# Altium PCB 2-quilter-output.pcbdoc (part 2 of 17) (continued)
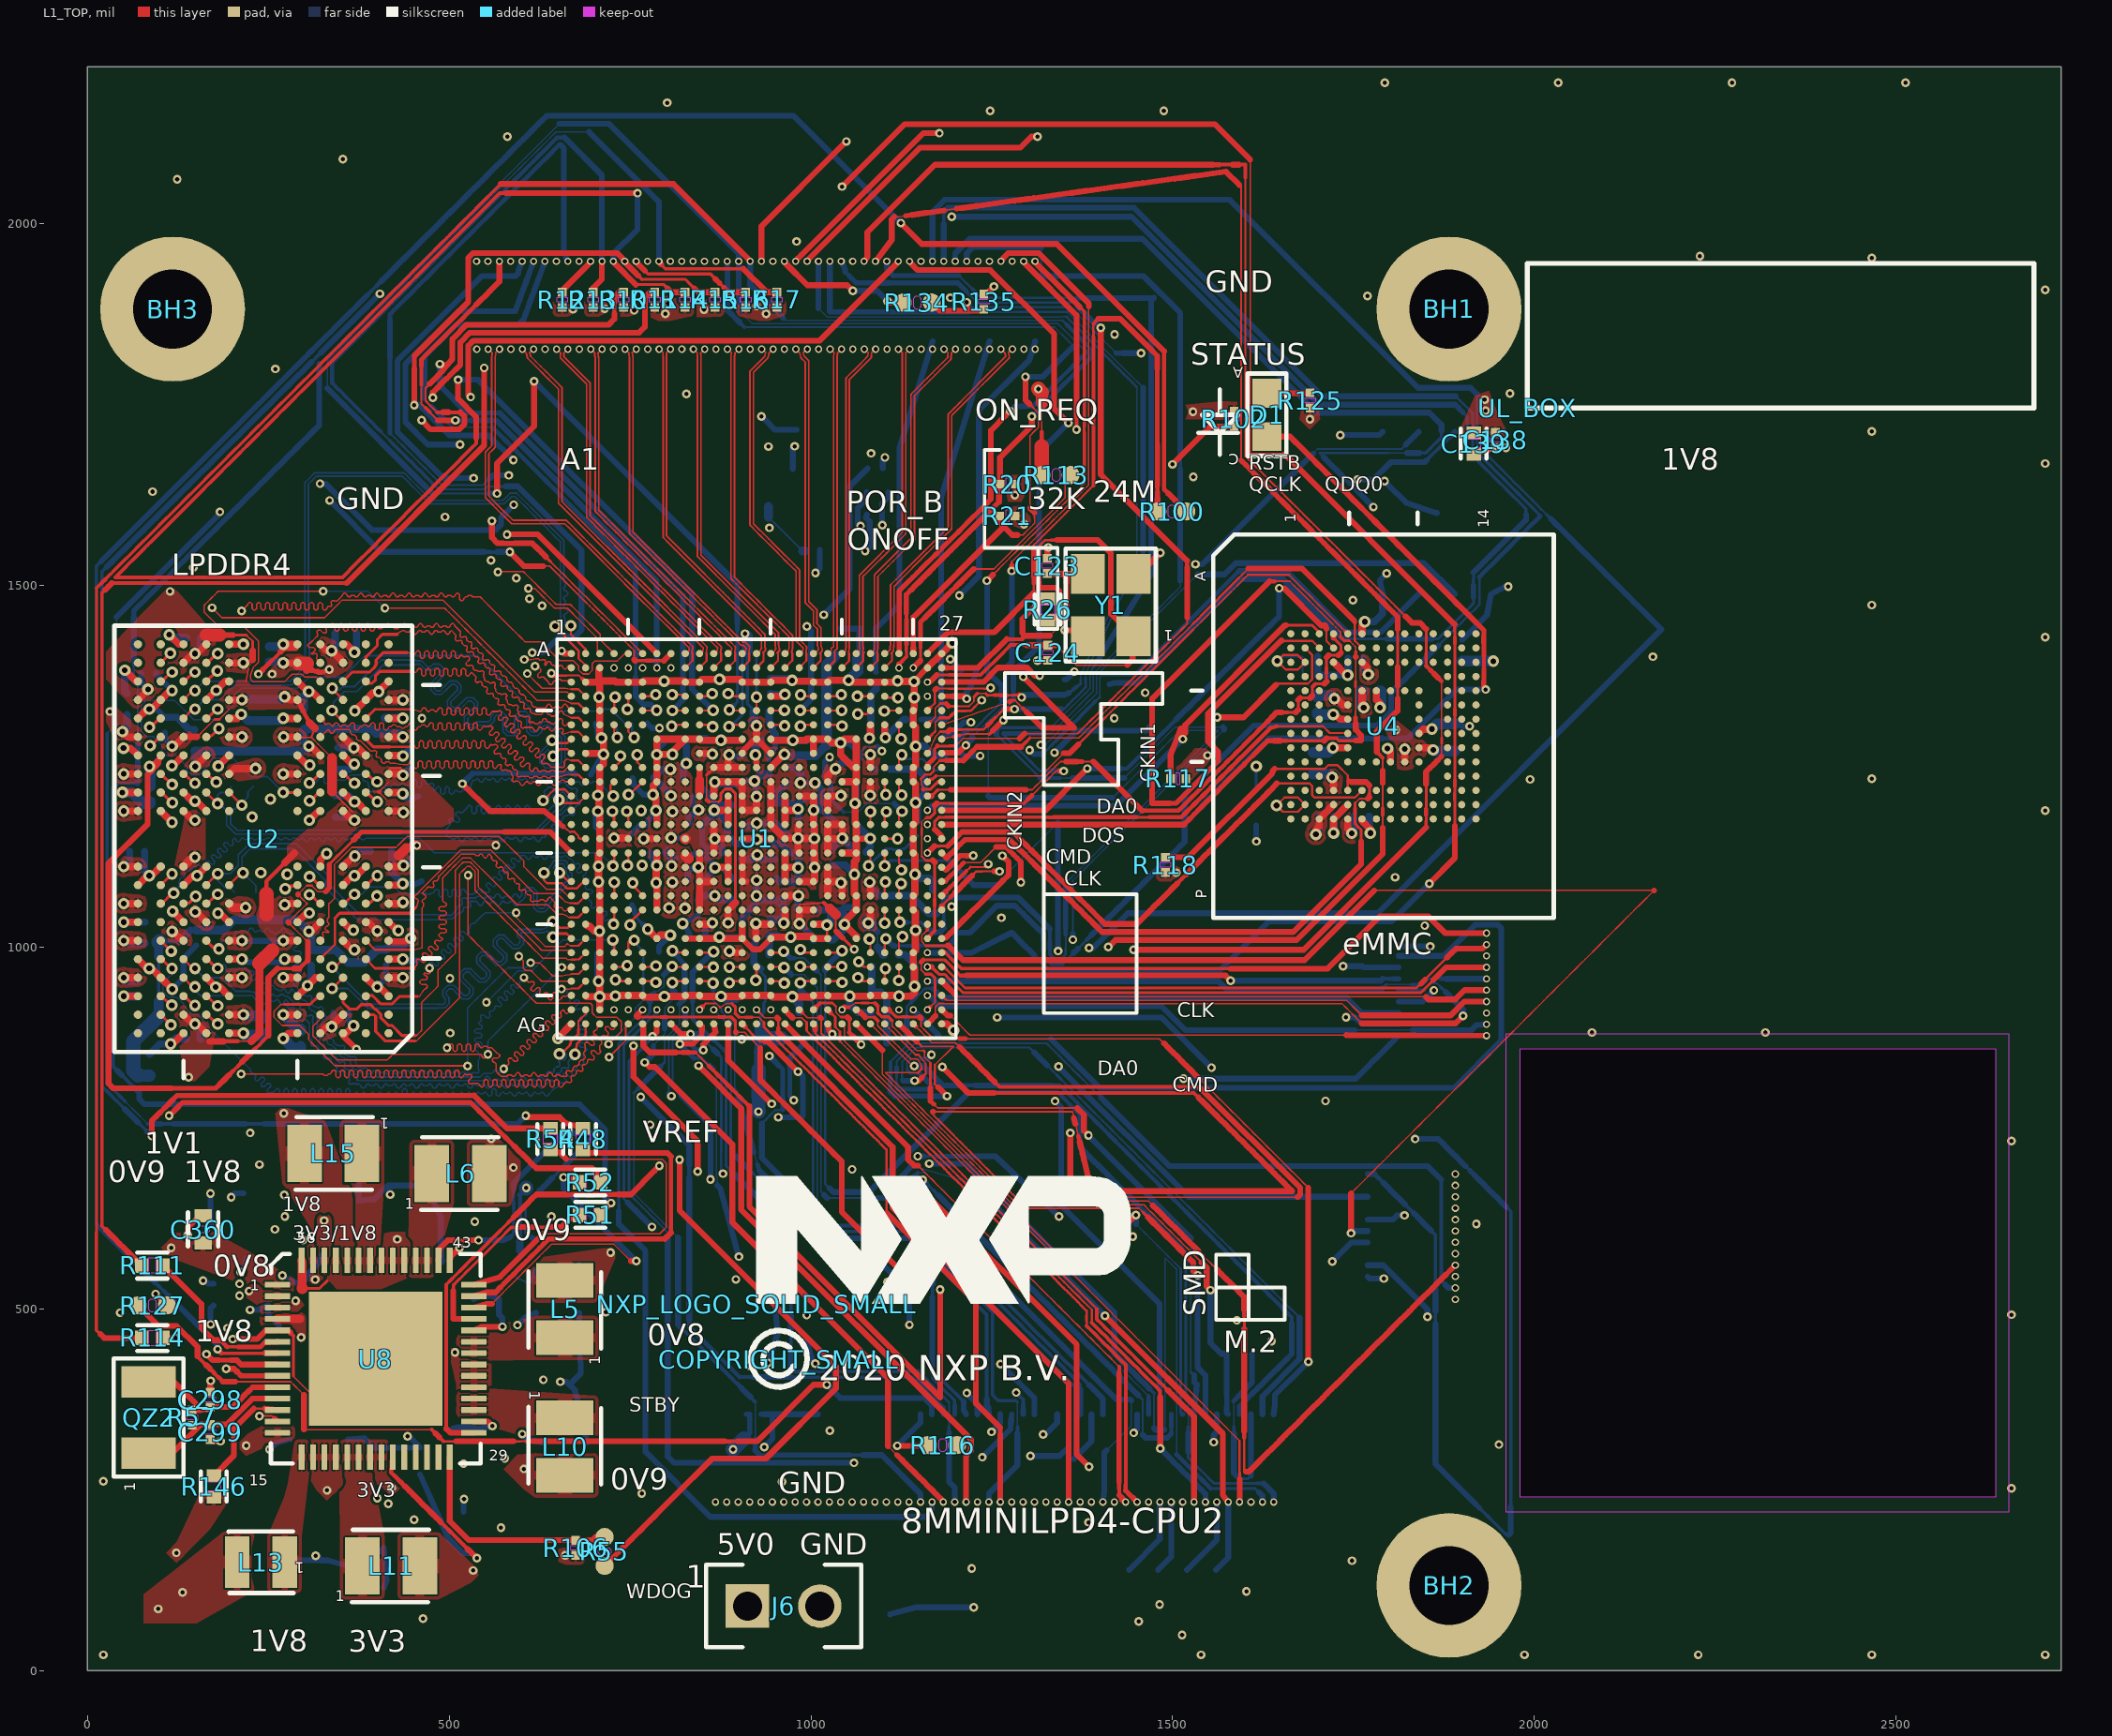
[diagram p0: L1_TOP view]
## Nets (pads, with @x,y where several pads share a name; then routed paths per layer and width w, separated by ;. In a path a pad name is that pad's centre, name@x,y a point inside that pad or via, vN(x,y) a via of type N, cw(c..) or ccw(c..) an arc to the next point about the centre after c; other vN are vias at no path point) (continued)
  L8_BOT w5.71: 93.36,537.3 99.55,531.11 ; 387.39,1901.36 393.74,1907.71
  L8_BOT w6.29: 105.75,524.92 111.94,518.72 ; 400.08,1914.06 406.43,1920.41
  L8_BOT w7.46: 19.19,1533.16 25.54,1539.51 31.88,1545.86 38.23,1552.21 44.58,1558.55 50.93,1564.9 57.28,1571.25 63.63,1577.6 69.97,1583.95 76.32,1590.3 82.67,1596.64 89.02,1602.99 95.37,1609.34 101.72,1615.69 108.06,1622.04 114.41,1628.38 120.76,1634.73 127.11,1641.08 133.46,1647.43 139.8,1653.78 146.15,1660.13 152.5,1666.47 158.85,1672.82 165.2,1679.17 171.55,1685.52 177.89,1691.87 184.24,1698.22 190.59,1704.56 196.94,1710.91 203.29,1717.26 209.64,1723.61 215.98,1729.96 222.33,1736.31 228.68,1742.65 235.03,1749 241.38,1755.35 247.73,1761.7 254.07,1768.05 260.42,1774.4 266.77,1780.74 273.12,1787.09 279.47,1793.44 285.82,1799.79 292.16,1806.14 298.51,1812.49 304.86,1818.83 ; 311.21,1825.18 317.56,1831.53 323.91,1837.88 330.25,1844.23 336.6,1850.58 342.95,1856.92 349.3,1863.27 355.65,1869.62 361.99,1875.97 368.34,1882.32 374.69,1888.66 381.04,1895.01 387.39,1901.36
  L8_BOT w8.05: 19.03,611.63 25.23,605.44 31.42,599.24 37.61,593.05 43.81,586.85 50,580.66 56.2,574.47 62.39,568.27 68.58,562.08 74.78,555.88 80.97,549.69 87.17,543.5 93.36,537.3 ; 111.94,518.72 118.14,512.53 124.33,506.33 130.52,500.14 136.72,493.95 142.91,487.75 149.1,481.56 155.3,475.36 161.49,469.17 167.69,462.98 173.88,456.78 180.07,450.59 v1(180.08,444.38) ; 304.86,1818.83 311.21,1825.18 ; 406.43,1920.41 412.78,1926.75 419.13,1933.1 425.48,1939.45 431.83,1945.8 438.17,1952.15 444.52,1958.5 450.87,1964.84 457.22,1971.19 463.57,1977.54 469.92,1983.89 476.26,1990.24 482.61,1996.59 488.96,2002.93 495.31,2009.28 501.66,2015.63 508.01,2021.98 514.35,2028.33 520.7,2034.68 527.05,2041.02 533.4,2047.37 539.75,2053.72 546.1,2060.07 552.44,2066.42 558.79,2072.76 565.14,2079.11 571.49,2085.46 577.84,2091.81 584.18,2098.16 590.53,2104.51 596.88,2110.85 603.23,2117.2 609.58,2123.55 615.93,2129.9 622.27,2136.25 628.62,2142.6 634.97,2148.94 976.14,2148.94 v1(1124.32,2000.76)
CLKIN1: J4.94 U1.H27 | length 874.4
  L1_TOP w2: 1277.69,1532.77 1283.94,1539.02 1290.19,1545.27 1296.44,1551.52 1302.69,1557.77 1308.94,1564.02 1315.19,1570.27 1321.44,1576.52 1327.69,1582.77 1333.94,1589.02 1340.19,1595.27 1346.44,1601.52 1352.69,1607.77 1358.94,1614.02 1365.19,1620.27 1371.44,1626.52 1377.69,1632.77 1383.94,1639.02 1383.94,1647.83 1383.94,1656.64 1383.94,1665.45 1383.94,1674.26 1383.94,1683.07 1383.94,1691.88 1383.94,1700.69 1383.94,1709.5 1383.94,1718.31 1383.94,1727.12 1383.94,1735.93 1383.94,1744.74 1383.94,1753.55 1383.94,1762.36 1383.94,1771.17 1383.94,1779.98 1383.94,1788.8 1383.94,1797.61 1383.94,1806.42 1383.94,1815.23 1383.94,1824.04 1383.94,1832.85 1383.94,1841.66 1383.94,1850.47 1383.94,1859.28 1383.94,1868.09 1383.94,1876.9 1383.94,1885.71
  L1_TOP w3.37: 1277.69,1527.23 1277.69,1532.77
  L1_TOP w8.05: U1.H27@1180.8,1268.01 1182.63,1268.85 1204,1268.85 1209.83,1274.67 v1(1214.27,1279.11) ; v3(1262.47,1947.75) 1265.51,1951.79 1273.08,1959.36 1314.53,1959.36 1383.94,1889.95 1383.94,1885.71 ; v1(1277.69,1520.03) 1277.69,1527.23
  L8_BOT w2: 1223.1,1290.75 1229.19,1296.84 1235.28,1302.94 1241.37,1309.03 1247.46,1315.12 1253.56,1321.21 1259.65,1327.3 1265.74,1333.39 1271.83,1339.48 1271.83,1347.63 1271.83,1355.79 1271.83,1363.94 1271.83,1372.1 1271.83,1380.25 1271.83,1388.4
  L8_BOT w8.05: v1(1214.27,1279.11) 1223.1,1287.95 1223.1,1290.75 ; 1271.83,1388.4 1277.69,1394.27 v1(1277.69,1520.03)
CLKIN2: J4.96 U1.J27
  other v3: 1278.22,1947.75
CLKOUT1: J4.64 U1.H26 | length 1238.7
  L1_TOP w2: 1164.07,1272.97 1167.08,1279.43 1169.87,1285.42 1172.66,1291.41 1175.88,1294.63 1179.09,1297.85
  L1_TOP w3.37: 1207.75,1300.67 1215.4,1300.67 1223.04,1300.67 1230.69,1300.67 1238.34,1300.67 1244.02,1306.35 ; 1255.38,1317.71 1261.06,1323.39
  L1_TOP w3.96: U1.H26@1161.11,1268.01 1164.07,1272.15 1164.07,1272.97 ; 1179.09,1297.85 1184.36,1297.85 1189.63,1297.85 ; 1200.1,1300.67 1207.75,1300.67 ; 1261.06,1323.39 1266.75,1329.07
  L1_TOP w5.13: 1249.7,1312.03 1255.38,1317.71
  L1_TOP w5.71: 1266.75,1329.07 1272.54,1329.07
  L1_TOP w6.29: 1192.45,1300.67 1200.1,1300.67 ; 1244.02,1306.35 1249.7,1312.03
  L1_TOP w7.46: 1272.54,1329.07 v1(1281.34,1329.07)
  L1_TOP w8.05: 1189.63,1297.85 1192.45,1300.67
  L8_BOT w2: 1354.27,1878.09 1360.44,1871.92 1366.6,1865.76 1372.77,1859.59 1378.93,1853.42 1385.1,1847.26 1391.27,1841.09 1397.43,1834.93 1403.6,1828.76 1409.76,1822.6 1415.93,1816.43 1422.09,1810.27 1428.26,1804.1 1434.42,1797.93 1440.59,1791.77 1446.76,1785.6 1452.92,1779.44 1459.09,1773.27
  L8_BOT w2.2: 1379.79,1372.37 1379.79,1378.86 1383.57,1386.9 1387.34,1394.93 1391.12,1402.97 1394.9,1411 1398.67,1419.03 1402.45,1427.06 1406.22,1435.1 1410,1443.13 1413.78,1451.16 1417.55,1459.2 1421.33,1467.23 1425.1,1475.26 1428.88,1483.29 1432.66,1491.33 1436.43,1499.36 1440.21,1507.39 1443.98,1515.43 1447.76,1523.46 1451.54,1531.49 1455.31,1539.52 1459.09,1547.56
  L8_BOT w3.37: 1217.3,1878.09 1225.86,1878.09 1234.42,1878.09 1242.98,1878.09 1251.54,1878.09 1260.1,1878.09 1268.66,1878.09 1277.22,1878.09 1285.78,1878.09 1294.34,1878.09 1302.91,1878.09 1311.47,1878.09 1320.03,1878.09 1328.59,1878.09 1337.15,1878.09 1345.71,1878.09 1354.27,1878.09 ; 1346.19,1329.08 1349.49,1329.08 1355.55,1335.14 1361.61,1341.2 1367.67,1347.26 1373.73,1353.32 1379.79,1359.38 1379.79,1365.87
  L8_BOT w3.96: 1379.79,1365.87 1379.79,1372.37
  L8_BOT w6.88: 1026.26,1878.67 1026.85,1878.08 1035.5,1878.08 1044.16,1878.08 1052.82,1878.08 1061.47,1878.08 1070.13,1878.08 1078.79,1878.08 1087.44,1878.08 1096.1,1878.08 1104.76,1878.08 1113.41,1878.08 1122.07,1878.08 1130.73,1878.08 1139.38,1878.08 1148.04,1878.08 1156.7,1878.08 1165.35,1878.08 1174.01,1878.08 1182.67,1878.08 1191.32,1878.08 1199.98,1878.08 1208.64,1878.08 1217.29,1878.08
  L8_BOT w8.05: 1026.24,1878.68 1026.24,1934.25 J4.64@1026.26,1947.76 ; v1(1281.34,1329.07) 1346.19,1329.08 ; 1459.09,1547.56 1459.09,1773.27
  other v3: 1026.25,1947.75
CLKOUT2: J4.66 U1.J26 | length 1310.1
  L1_TOP w2: 1200.09,1278.16 1205.24,1283.31 1210.39,1288.47 1219.12,1288.47 1227.86,1288.47 1236.59,1288.47 1245.33,1288.47 1254.06,1288.47 1262.79,1288.47 1271.53,1288.47 1280.26,1288.47 1288.45,1288.47 ; 1295.32,1295.2 1303.82,1295.2 1311.9,1295.2 1319.98,1295.2 1328.06,1295.2 1336.14,1295.2 1344.22,1295.2 1352.3,1295.2 1360.38,1295.2 1368.45,1295.2
  L1_TOP w2.79: 1368.45,1295.2 1374.77,1301.52 1381.08,1307.83 1387.39,1314.14 1393.71,1320.46 1400.02,1326.77 1406.33,1333.08 1412.65,1339.4 1418.96,1345.71 1425.27,1352.02 1431.59,1358.34 1437.9,1364.65 1444.21,1370.96 1450.53,1377.28 1456.84,1383.59 1463.15,1389.9 1469.47,1396.22 1475.78,1402.53 1482.09,1408.84 1488.41,1415.16 1494.72,1421.47 1501.03,1427.78 1507.35,1434.09 1513.66,1440.41 1519.97,1446.72 1519.97,1455.45
  L1_TOP w3.96: 1171.27,1262.15 1171.27,1268.4 1171.27,1274.66 1174.77,1278.16 ; 1174.78,1278.16 1183.21,1278.16 1191.65,1278.16
  L1_TOP w4.54: 1191.65,1278.16 1200.09,1278.16
  L1_TOP w5.71: 1167.38,1258.27 1171.27,1262.15 ; 1519.97,1525.32 1519.97,1534.06
  L1_TOP w6.88: U1.J26@1161.11,1251.99 1167.38,1258.27
  L1_TOP w7.46: 1519.97,1516.59 1519.97,1525.32
  L1_TOP w8.05: U1.J26@1161.11,1248.32 U1.J26@1161.11,1251.99 ; 1288.45,1288.47 1288.58,1288.47 1295.32,1295.2 ; v1(1400.56,1856.04) 1400.56,1845.14 1400.56,1653.47 1519.97,1534.06 ; 1519.97,1455.45 1519.97,1464.19 1519.97,1472.92 1519.97,1481.66 1519.97,1490.39 1519.97,1499.12 1519.97,1507.86 1519.97,1516.59
  L8_BOT w3.37: 1219.57,1901.72 1225,1896.3 1230.42,1890.87 1239.28,1890.87 1248.14,1890.87 1256.99,1890.87 1265.85,1890.87 1274.71,1890.87 1283.57,1890.87 1292.43,1890.87 1301.28,1890.87 1310.14,1890.87 1319,1890.87 1327.86,1890.87 1336.72,1890.87 1345.57,1890.87 1354.43,1890.87 1363.29,1890.87 1368.74,1885.42
  L8_BOT w5.13: 1047.18,1933.6 1052.38,1928.4 ; 1214.14,1907.15 1219.57,1901.72
  L8_BOT w6.88: 1052.38,1928.4 1057.58,1923.2 1062.78,1918 1071.56,1918 ; 1106.69,1918 1115.47,1918 1124.25,1918 ; 1194.51,1918 1203.29,1918 1208.72,1912.57 1214.14,1907.15
  L8_BOT w7.46: 1071.56,1918 1080.34,1918 1089.13,1918 1097.91,1918 ; 1124.25,1918 1133.04,1918 1141.82,1918 1150.6,1918 1159.38,1918 1168.16,1918 1176.95,1918 1185.73,1918 1194.51,1918
  L8_BOT w8.05: v3(1042,1947.75) 1047.18,1936.96 1047.18,1933.6 ; 1097.91,1918 1106.69,1918 ; 1368.74,1885.42 1374.19,1879.97 1379.64,1874.52 1385.09,1869.07 1390.55,1863.62 1392.98,1863.62 v1(1400.56,1856.04)
CSI_CK_N: J4.45 U1.A16 | length 458.9
  L1_TOP w2.3: v3@884.75,1826.15 890.25,1821.75 889.71,1815.62 889.7,1815.54 889.7,1815.45 ; 889.7,1815.41 889.7,1805.24 889.7,1795.07 889.7,1784.9 889.7,1774.73 889.7,1764.55 889.7,1754.38 889.7,1744.21 889.7,1734.04 889.7,1723.87 889.7,1713.7 889.7,1703.53 889.7,1693.36 889.7,1683.19 889.7,1673.02 889.7,1662.84 889.7,1652.67 889.7,1642.5 889.7,1632.33 889.7,1622.16 889.7,1611.99 889.7,1601.82 889.7,1591.65 889.7,1581.48 889.7,1571.31 889.7,1561.14 889.7,1550.96 889.7,1540.79 889.7,1530.62 889.7,1520.45 889.7,1510.28 889.7,1510.2 889.71,1510.11 889.71,1510.03 889.72,1509.94 889.74,1509.86 889.75,1509.78 889.77,1509.69 889.79,1509.61 889.82,1509.53 889.85,1509.45 889.88,1509.37 889.91,1509.3 889.95,1509.22 889.99,1509.14 890.03,1509.07 890.07,1509 890.12,1508.93 890.17,1508.86 890.22,1508.79 890.27,1508.73 890.33,1508.66 890.38,1508.6 897.02,1501.97 903.64,1495.35 910.25,1488.73 916.87,1482.11 923.49,1475.5 930.11,1468.88 936.73,1462.26 943.34,1455.64 949.96,1449.02 956.58,1442.41 963.2,1435.79 969.81,1429.17 969.81,1421.74 969.81,1414.32 968.66,1408.05 U1.A16@964.26,1405.81
  other v3: 884.77,1826.55
CSI_CK_P: J4.47 U1.B16 | length 479.4
  L1_TOP w2.3: v3@900.5,1826.15 895.03,1821.33 894.5,1815.3 894.5,1805.17 894.5,1795.03 894.5,1784.9 894.5,1774.77 894.5,1764.63 894.5,1754.5 894.5,1744.36 894.5,1734.23 894.5,1724.09 894.5,1713.96 894.5,1703.83 894.5,1693.69 894.5,1683.56 894.5,1673.42 894.5,1663.29 894.5,1653.15 894.5,1643.02 894.5,1632.89 894.5,1622.75 894.5,1612.62 894.5,1602.48 894.5,1592.35 894.5,1582.21 894.5,1572.08 894.5,1561.95 894.5,1551.81 894.5,1541.68 894.5,1531.54 894.5,1521.41 894.5,1511.27 901.12,1504.66 907.73,1498.04 914.35,1491.42 920.97,1484.8 927.59,1478.19 934.2,1471.57 940.82,1464.95 947.44,1458.33 954.06,1451.72 960.68,1445.1 967.29,1438.48 973.91,1431.86 ; 973.93,1431.85 973.99,1431.79 974.04,1431.72 974.09,1431.66 974.15,1431.59 974.19,1431.52 974.24,1431.45 974.29,1431.38 974.33,1431.3 974.37,1431.23 974.4,1431.15 974.43,1431.07 974.47,1430.99 974.49,1430.91 974.52,1430.83 974.54,1430.75 974.56,1430.67 974.58,1430.59 974.59,1430.5 974.6,1430.42 974.61,1430.34 974.61,1430.25 974.61,1430.17 974.61,1422.13 974.61,1414.08 974.61,1414 974.61,1413.92 974.6,1413.83 974.59,1413.75 974.57,1413.66 973.38,1407.18 974.25,1407.32
  L1_TOP w3: U1.B16@964.26,1386.12 974.25,1396.1 974.25,1405.81
  other v3: 900.52,1826.55
CSI_D0_N: J4.33 U1.A14 | length 483
  L1_TOP w2.3: v3@790.26,1826.15 795.75,1821.5 795.87,1813.87 795.87,1804.01 795.87,1794.15 795.87,1784.3 795.87,1774.44 795.87,1764.58 795.87,1754.72 795.87,1744.86 795.87,1735 795.87,1725.15 795.87,1715.29 795.87,1705.43 795.87,1695.57 795.87,1685.71 795.87,1675.85 795.87,1666 795.87,1656.14 795.87,1646.28 795.87,1636.42 795.87,1626.56 795.87,1616.7 795.87,1606.85 795.87,1596.99 795.87,1587.13 795.87,1577.27 795.87,1567.41 795.87,1567.33 795.87,1567.24 795.88,1567.16 795.89,1567.08 795.9,1566.99 795.92,1566.91 795.94,1566.83 795.96,1566.74 795.98,1566.66 796.01,1566.58 796.04,1566.51 796.08,1566.43 796.11,1566.35 796.15,1566.28 796.19,1566.2 796.24,1566.13 796.28,1566.06 796.33,1565.99 796.38,1565.92 796.44,1565.86 796.49,1565.79 796.55,1565.73 ; 796.57,1565.72 803.68,1558.6 810.79,1551.49 817.91,1544.38 825.02,1537.26 832.13,1530.15 839.25,1523.04 846.36,1515.92 853.47,1508.81 860.58,1501.7 867.7,1494.59 874.81,1487.47 881.92,1480.36 889.04,1473.25 896.15,1466.13 903.26,1459.02 910.37,1451.91 917.49,1444.8 924.6,1437.68 931.71,1430.57 931.71,1423.82 931.71,1417.07 931.72,1416.98 931.72,1416.9 931.73,1416.83 932.1,1413.02 932,1412.98 931.93,1412.94 931.85,1412.9 931.78,1412.86 931.71,1412.81 931.64,1412.76 931.58,1412.71 931.51,1412.66 931.45,1412.6 931.38,1412.54 931.33,1412.48 931.27,1412.42 931.21,1412.35 931.16,1412.29 931.11,1412.22 931.06,1412.15 931.02,1412.08 930.97,1412.01 930.93,1411.93 930.91,1411.88 929.34,1408.67 U1.A14@924.88,1404.81
  other v3: 790.28,1826.55
CSI_D0_P: J4.35 U1.B14 | length 505
  L1_TOP w2.3: 800.66,1813.87 800.66,1804.05 800.66,1794.23 800.66,1784.41 800.66,1774.6 800.66,1764.78 800.66,1754.96 800.66,1745.14 800.66,1735.32 800.66,1725.5 800.66,1715.69 800.66,1705.87 800.66,1696.05 800.66,1686.23 800.66,1676.41 800.66,1666.59 800.66,1656.77 800.66,1646.96 800.66,1637.14 800.66,1627.32 800.66,1617.5 800.66,1607.68 800.66,1597.86 800.66,1588.04 800.66,1578.23 800.66,1568.41 807.78,1561.29 814.89,1554.18 822,1547.07 829.12,1539.96 836.23,1532.84 843.34,1525.73 850.46,1518.62 857.57,1511.5 864.68,1504.39 871.79,1497.28 878.91,1490.16 886.02,1483.05 893.13,1475.94 900.25,1468.83 907.36,1461.71 914.47,1454.6 921.59,1447.49 928.7,1440.37 935.81,1433.26 ; 800.66,1813.91 800.55,1821.57 v3@806.01,1826.15 ; 934.59,1407.32 933.65,1406.56 934.56,1408.43 934.72,1408.43 934.81,1408.43 934.89,1408.43 934.98,1408.44 935.06,1408.45 935.15,1408.46 935.23,1408.48 935.31,1408.5 935.39,1408.52 935.47,1408.55 935.55,1408.57 935.63,1408.6 935.71,1408.64 935.79,1408.67 935.86,1408.71 935.93,1408.75 936.01,1408.8 936.08,1408.84 936.15,1408.89 936.21,1408.94 936.28,1409 936.34,1409.05 936.4,1409.11 936.46,1409.17 936.52,1409.23 936.58,1409.3 936.63,1409.37 936.68,1409.43 936.73,1409.5 936.77,1409.57 936.82,1409.65 936.86,1409.72 936.89,1409.8 936.93,1409.87 936.96,1409.95 936.99,1410.03 937.02,1410.11 937.04,1410.19 937.06,1410.28 937.08,1410.36 937.09,1410.44 937.11,1410.53 937.11,1410.61 937.12,1410.69 937.12,1410.78 937.12,1410.86 937.12,1410.95 937.12,1411.03 936.51,1417.18 936.51,1424.37 936.51,1431.56 936.51,1431.65 936.51,1431.73 936.5,1431.82 936.49,1431.9 936.48,1431.98 936.46,1432.07 936.44,1432.15 936.42,1432.23 936.39,1432.31 936.37,1432.39 936.34,1432.47 936.3,1432.55 936.27,1432.63 936.23,1432.7 936.19,1432.77 936.14,1432.85 936.1,1432.92 936.05,1432.99 936,1433.05 935.94,1433.12 935.89,1433.18 935.83,1433.24
  L1_TOP w3: U1.B14@924.89,1386.12 934.59,1395.82 934.59,1405.81
  other v3: 806.03,1826.55
CSI_D1_N: J4.39 U1.A15 | length 470.6
  L1_TOP w2.3: v3@837.51,1826.15 843,1821.41 843.31,1815.48 843.31,1805.3 843.31,1795.13 843.31,1784.96 843.31,1774.79 843.31,1764.62 843.31,1754.45 843.31,1744.28 843.31,1734.11 843.31,1723.93 843.31,1713.76 843.31,1703.59 843.31,1693.42 843.31,1683.25 843.31,1673.08 843.31,1662.91 843.31,1652.74 843.31,1642.57 843.31,1632.39 843.31,1622.22 843.31,1612.05 843.31,1601.88 843.31,1591.71 843.31,1581.54 843.31,1571.37 843.31,1561.2 843.31,1551.02 843.31,1540.85 843.31,1540.77 843.32,1540.68 843.32,1540.6 843.33,1540.52 843.35,1540.43 843.36,1540.35 843.38,1540.27 843.4,1540.19 843.43,1540.11 843.46,1540.03 843.49,1539.95 843.52,1539.87 843.56,1539.79 843.6,1539.72 843.64,1539.64 843.68,1539.57 843.73,1539.5 843.78,1539.43 843.83,1539.36 843.88,1539.3 843.94,1539.23 844,1539.17 851.12,1532.05 858.23,1524.93 865.35,1517.82 872.46,1510.71 879.57,1503.6 886.68,1496.49 893.79,1489.38 900.9,1482.27 908.01,1475.16 915.12,1468.05 922.23,1460.94 929.34,1453.83 936.45,1446.71 943.57,1439.6 950.68,1432.49 950.68,1424.91 950.68,1417.33 950.68,1417.24 950.68,1417.16 950.69,1417.08 950.7,1416.99 950.71,1416.91 950.72,1416.85 951.61,1412.51 951.53,1412.42 951.48,1412.35 951.42,1412.29 951.37,1412.22 951.33,1412.15 951.29,1412.09 949.3,1408.88 U1.A15@944.57,1405.81
  other v3: 837.53,1826.55
CSI_D1_P: J4.41 U1.B15 | length 493.7
  L1_TOP w2.3: v3@853.25,1826.15 847.79,1821.66 848.11,1815.67 848.11,1815.54 848.11,1805.41 848.11,1795.27 848.11,1785.13 848.11,1775 848.11,1764.86 848.11,1754.72 848.11,1744.58 848.11,1734.45 848.11,1724.31 848.11,1714.17 848.11,1704.04 848.11,1693.9 848.11,1683.76 848.11,1673.63 848.11,1663.49 848.11,1653.35 848.11,1643.22 848.11,1633.08 848.11,1622.94 848.11,1612.81 848.11,1602.67 848.11,1592.53 848.11,1582.4 848.11,1572.26 848.11,1562.12 848.11,1551.98 848.11,1541.85 855.22,1534.74 862.33,1527.63 869.44,1520.52 876.55,1513.4 883.66,1506.29 890.77,1499.18 897.89,1492.07 905,1484.96 912.11,1477.85 919.22,1470.74 926.33,1463.63 933.44,1456.52 940.55,1449.41 947.66,1442.3 954.77,1435.18 ; 954.57,1407.32 953.38,1406.35 954.67,1408.44 954.75,1408.45 954.83,1408.46 954.91,1408.48 955,1408.5 955.08,1408.52 955.16,1408.55 955.24,1408.57 955.32,1408.6 955.39,1408.64 955.47,1408.67 955.55,1408.71 955.62,1408.75 955.69,1408.8 955.76,1408.84 955.83,1408.89 955.9,1408.94 955.96,1409 956.03,1409.05 956.09,1409.11 956.15,1409.17 956.21,1409.23 956.26,1409.3 956.31,1409.37 956.36,1409.43 956.41,1409.5 956.46,1409.57 956.5,1409.65 956.54,1409.72 956.58,1409.8 956.61,1409.87 956.64,1409.95 956.67,1410.03 956.7,1410.11 956.72,1410.19 956.75,1410.28 956.76,1410.36 956.78,1410.44 956.79,1410.53 956.8,1410.61 956.81,1410.69 956.81,1410.78 956.81,1410.86 956.81,1410.95 956.8,1411.03 956.79,1411.12 956.78,1411.2 956.77,1411.28 955.48,1417.57 955.48,1425.53 955.48,1433.49 955.47,1433.57 955.47,1433.66 955.46,1433.74 955.45,1433.82 955.44,1433.91 955.42,1433.99 955.4,1434.07 955.38,1434.15 955.36,1434.24 955.33,1434.32 955.3,1434.39 955.26,1434.47 955.23,1434.55 955.19,1434.62 955.15,1434.7 955.1,1434.77 955.06,1434.84 955.01,1434.91 954.96,1434.98 954.9,1435.04 954.85,1435.11 954.79,1435.17
  L1_TOP w3: U1.B15@944.57,1386.12 954.57,1396.11 954.57,1405.81
  other v3: 853.27,1826.55
CSI_D2_N: J4.51 U1.A17 | length 464.6
  L1_TOP w2.3: 916.57,1582.61 923.57,1575.62 930.56,1568.62 937.56,1561.63 944.55,1554.63 951.55,1547.64 958.55,1540.64 965.54,1533.65 972.54,1526.65 979.53,1519.66 979.53,1510.1 979.53,1500.55 979.53,1491 979.53,1481.44 979.53,1471.89 979.53,1462.34 979.53,1452.79 979.53,1443.23 979.53,1433.68 979.53,1424.13 979.53,1424.04 979.54,1423.96 979.54,1423.88 979.55,1423.79 979.57,1423.71 979.58,1423.63 979.6,1423.54 979.63,1423.46 979.65,1423.38 979.68,1423.3 979.71,1423.22 979.74,1423.14 979.78,1423.07 979.82,1422.99 979.86,1422.92 979.9,1422.85 979.95,1422.78 980,1422.71 980.05,1422.64 980.1,1422.57 980.16,1422.51 980.22,1422.45 ; 916.56,1582.63 916.5,1582.69 916.44,1582.75 916.39,1582.82 916.34,1582.89 916.29,1582.96 916.24,1583.03 916.2,1583.1 916.16,1583.17 916.12,1583.25 916.08,1583.32 916.05,1583.4 916.02,1583.48 915.99,1583.56 915.97,1583.64 915.94,1583.72 915.92,1583.81 915.91,1583.89 915.89,1583.97 915.88,1584.06 915.88,1584.14 915.87,1584.22 915.87,1584.31 915.87,1594.36 915.87,1604.4 915.87,1614.45 915.87,1624.5 915.87,1634.55 915.87,1644.59 915.87,1654.64 915.87,1664.69 915.87,1674.73 915.87,1684.78 915.87,1694.83 915.87,1704.88 915.87,1714.92 915.87,1724.97 915.87,1735.02 915.87,1745.07 915.87,1755.11 915.87,1765.16 915.87,1775.21 915.87,1785.25 915.87,1795.3 915.87,1795.39 915.88,1795.47 915.89,1795.56 915.9,1795.64 915.91,1795.72 915.93,1795.81 915.95,1795.89 915.97,1795.97 916,1796.05 916.03,1796.13 916.06,1796.21 916.09,1796.28 916.13,1796.36 916.17,1796.44 916.21,1796.51 916.26,1796.58 916.3,1796.65 916.35,1796.72 916.4,1796.79 916.46,1796.85 916.52,1796.91 916.57,1796.97 923.15,1803.55 929.72,1810.12 936.29,1816.69 937.54,1822.08 v3@931.99,1826.15 ; 980.23,1422.43 984.75,1417.91 989.27,1413.39 988.34,1408.03 U1.A17@983.95,1405.82
  other v3: 932.01,1826.55
CSI_D2_P: J4.53 U1.B17 | length 484.8
  L1_TOP w2.3: v3@947.74,1826.15 942.22,1820.99 940.81,1814.94 940.8,1814.87 940.78,1814.79 940.75,1814.71 940.72,1814.63 940.69,1814.55 940.66,1814.48 940.62,1814.4 940.58,1814.33 940.54,1814.25 940.49,1814.18 940.44,1814.11 940.4,1814.04 940.34,1813.97 940.29,1813.91 940.23,1813.85 940.17,1813.79 933.67,1807.28 927.17,1800.78 920.67,1794.28 920.67,1784.33 920.67,1774.38 920.67,1764.43 920.67,1754.48 920.67,1744.53 920.67,1734.57 920.67,1724.62 920.67,1714.67 920.67,1704.72 920.67,1694.77 920.67,1684.82 920.67,1674.87 920.67,1664.91 920.67,1654.96 920.67,1645.01 920.67,1635.06 920.67,1625.11 920.67,1615.16 920.67,1605.21 920.67,1595.25 920.67,1585.3 927.67,1578.31 934.66,1571.31 941.66,1564.32 948.65,1557.32 955.65,1550.33 962.64,1543.33 969.64,1536.34 976.63,1529.34 983.63,1522.35 983.7,1522.27 983.76,1522.2 983.81,1522.14 983.86,1522.07 983.91,1522 983.96,1521.93 984,1521.86 984.04,1521.79 984.08,1521.71 984.12,1521.63 984.15,1521.56 984.18,1521.48 984.21,1521.4 984.24,1521.32 984.26,1521.24 984.28,1521.15 984.29,1521.07 984.31,1520.99 984.32,1520.9 984.32,1520.82 984.33,1520.73 984.33,1520.65 984.33,1511.1 984.33,1501.54 984.33,1491.99 984.33,1482.44 984.33,1472.89 984.33,1463.33 984.33,1453.78 984.33,1444.23 984.33,1434.68 984.33,1425.12 988.94,1420.51 993.56,1415.89 993.62,1415.83 993.67,1415.77 993.73,1415.7 993.78,1415.64 993.83,1415.57 993.88,1415.5 993.92,1415.43 993.96,1415.35 994,1415.28 994.04,1415.2 994.07,1415.12 994.1,1415.05 994.13,1414.97 994.15,1414.88 994.18,1414.8 994.2,1414.72 994.21,1414.64 994.23,1414.55 994.24,1414.47 994.25,1414.39 994.25,1414.3 994.25,1414.22 994.25,1414.13 994.25,1414.05 994.24,1413.96 994.23,1413.88 994.22,1413.8 993.07,1407.21 993.94,1407.32
  L1_TOP w3: U1.B17@983.95,1386.12 993.93,1396.1 993.93,1405.81
  other v3: 947.76,1826.55
CSI_D3_N: J4.57 U1.A18 | length 435.9
  L1_TOP w2.3: v3@979.24,1826.15 984.78,1821.01 986.07,1815.26 986.09,1815.18 986.11,1815.1 986.13,1815.02 986.16,1814.94 986.19,1814.86 986.23,1814.78 986.26,1814.71 986.3,1814.63 986.35,1814.56 986.39,1814.49 986.44,1814.42 986.49,1814.35 986.54,1814.28 986.59,1814.22 986.65,1814.15 986.71,1814.09 992.29,1808.51 992.29,1798.46 992.29,1788.41 992.29,1778.36 992.29,1768.31 992.29,1758.26 992.29,1748.2 992.29,1738.15 992.29,1728.1 992.29,1718.05 992.29,1708 992.29,1697.95 992.29,1687.9 992.29,1677.84 992.29,1667.79 992.29,1657.74 992.29,1647.69 992.29,1637.64 992.29,1627.59 992.29,1617.54 992.29,1607.48 992.29,1597.43 992.29,1587.38 992.29,1577.33 992.29,1567.28 992.29,1557.23 992.29,1547.18 992.29,1537.12 992.29,1527.07 992.29,1517.02 992.29,1506.97 992.29,1496.92 992.29,1486.87 992.29,1476.82 992.29,1476.73 992.29,1476.65 992.3,1476.56 992.31,1476.48 992.32,1476.39 992.34,1476.31 992.36,1476.23 992.38,1476.15 992.41,1476.07 992.43,1475.99 992.47,1475.91 992.5,1475.83 992.53,1475.75 992.57,1475.68 992.62,1475.61 992.66,1475.53 992.71,1475.46 992.75,1475.39 992.81,1475.33 992.86,1475.26 992.92,1475.2 992.97,1475.14 ; 992.99,1475.12 998.29,1469.82 1003.6,1464.51 1003.6,1455.3 1003.6,1446.09 1003.6,1446 1003.6,1445.92 1003.61,1445.83 1003.62,1445.75 1003.63,1445.67 1003.65,1445.58 1003.67,1445.5 1003.69,1445.42 1003.72,1445.34 1003.74,1445.26 1003.77,1445.18 1003.81,1445.1 1003.84,1445.03 1003.88,1444.95 1003.92,1444.88 1003.97,1444.8 1004.01,1444.73 1004.06,1444.66 1004.12,1444.6 1004.17,1444.53 1004.22,1444.47 1004.28,1444.41 1009.22,1439.47 1009.22,1431.94 1009.22,1424.4 1009.22,1416.86 1009.22,1416.78 1009.22,1416.69 1009.23,1416.61 1009.24,1416.53 1009.25,1416.44 1009.27,1416.36 1009.29,1416.28 1009.31,1416.19 ; U1.A18@1003.63,1405.81 1008.66,1409.28 1010.76,1411.47 1009.32,1416.16
  other v3: 979.26,1826.55
CSI_D3_P: J4.59 U1.B18 | length 460
  L1_TOP w2.3: v3@994.99,1826.15 989.47,1822.06 990.6,1816.99 996.38,1811.21 996.46,1811.13 996.52,1811.06 996.57,1811 996.62,1810.93 996.67,1810.86 996.72,1810.79 996.76,1810.72 996.8,1810.64 996.84,1810.57 996.88,1810.49 996.91,1810.41 996.94,1810.34 996.97,1810.26 996.99,1810.18 997.01,1810.09 997.03,1810.01 997.05,1809.93 997.06,1809.84 997.07,1809.76 997.08,1809.68 997.09,1809.59 997.09,1809.51 997.09,1799.46 997.09,1789.4 997.09,1779.35 997.09,1769.3 997.09,1759.25 997.09,1749.2 997.09,1739.15 997.09,1729.1 997.09,1719.04 997.09,1708.99 997.09,1698.94 997.09,1688.89 997.09,1678.84 997.09,1668.79 997.09,1658.74 997.09,1648.68 997.09,1638.63 997.09,1628.58 997.09,1618.53 997.09,1608.48 997.09,1598.43 997.09,1588.38 997.09,1578.32 997.09,1568.27 997.09,1558.22 997.09,1548.17 997.09,1538.12 997.09,1528.07 997.09,1518.02 997.09,1507.96 997.09,1497.91 997.09,1487.86 997.09,1477.81 1002.39,1472.51 1007.69,1467.2 1007.77,1467.12 1007.83,1467.06 1007.88,1467 1007.93,1466.93 1007.98,1466.86 1008.03,1466.79 1008.07,1466.72 1008.11,1466.64 1008.15,1466.57 1008.19,1466.49 1008.22,1466.41 1008.25,1466.33 1008.28,1466.25 1008.3,1466.17 1008.32,1466.09 1008.34,1466.01 1008.36,1465.93 1008.37,1465.84 1008.38,1465.76 1008.39,1465.68 1008.4,1465.59 1008.4,1465.51 1008.4,1456.29 1008.4,1447.08 1013.31,1442.17 ; 1013.33,1442.15 1013.39,1442.09 1013.44,1442.02 1013.5,1441.96 1013.55,1441.89 1013.6,1441.82 1013.64,1441.75 1013.69,1441.68 1013.73,1441.6 1013.77,1441.53 1013.8,1441.45 1013.84,1441.38 1013.87,1441.3 1013.9,1441.22 1013.92,1441.14 1013.94,1441.05 1013.96,1440.97 1013.98,1440.89 1013.99,1440.81 1014,1440.72 1014.01,1440.64 1014.01,1440.55 1014.02,1440.47 1014.02,1432.72 1014.02,1424.97 1014.02,1417.22 1015.76,1411.53 ; 1013.62,1407.32 1012.13,1405.96 1015.2,1409.17 1015.26,1409.23 1015.31,1409.29 1015.36,1409.36 1015.41,1409.43 1015.46,1409.5 1015.51,1409.57 1015.55,1409.64 1015.59,1409.72 1015.63,1409.79 1015.66,1409.87 1015.7,1409.95 1015.73,1410.03 1015.75,1410.11 1015.78,1410.19 1015.8,1410.27 1015.82,1410.35 1015.83,1410.43 1015.84,1410.52 1015.85,1410.6 1015.86,1410.69 1015.86,1410.77 1015.86,1410.86 1015.86,1410.94 1015.86,1411.02 1015.85,1411.11 1015.84,1411.19 1015.82,1411.28 1015.81,1411.36 1015.78,1411.44 1015.76,1411.52
  L1_TOP w3: U1.B18@1003.63,1386.12 1013.62,1396.11 1013.62,1405.81
  other v3: 995.01,1826.55
DRAM_NRESET: R4.2 U1.R1 U2.T11 | length 1499.7
  L1_TOP w2: 278.24,1033.95 284.56,1027.64 290.87,1021.32 297.19,1015 303.51,1008.69 ; 278.24,1034.89 284.59,1041.24 290.94,1047.59 297.3,1053.94 303.56,1060.21 ; 291.28,1072.67 297.47,1066.48 303.56,1060.39 ; 291.28,1073.06 297.24,1079.02 303.2,1084.98 ; 310.53,1084.98 315.45,1079.88 318.77,1076.63 326.59,1076.63 329.41,1076.63
  L1_TOP w3.37: 303.2,1084.98 310.53,1084.98 ; 303.56,1060.21 303.56,1060.39
  L1_TOP w3.96: 262.8,970.54 270.44,970.54 278.09,970.54 ; 334.42,1114.67 340.01,1120.26 345.6,1125.86 351.19,1131.45 356.78,1137.04 362.38,1142.63 367.97,1148.22
  L1_TOP w4.1: v4(86.18,1249.64) U2.T11@101.6,1265.06
  L1_TOP w4.54: 201.84,829.29 207.9,835.34
  L1_TOP w5.13: 232.11,859.55 238.16,865.6 244.21,871.65 250.27,877.71 ; 278.09,970.54 285.74,970.54 ; 303.51,1008.69 304.86,1007.34
  L1_TOP w5.71: 207.9,835.34 213.95,841.39 ; 293.38,970.54 298.86,976.02 304.34,981.5 ; 433.07,1159.4 442.06,1159.4 451.05,1159.4 460.03,1159.4 469.02,1159.4 478.01,1159.4 486.99,1159.4 495.98,1159.4 504.97,1159.4 513.96,1159.4 522.94,1159.4 531.93,1159.4 540.92,1159.4 549.91,1159.4 558.89,1159.4 567.88,1159.4 576.87,1159.4
  L1_TOP w6.29: 195.79,823.23 201.84,829.29 ; 226.05,853.5 232.11,859.55
  L1_TOP w6.88: 116.61,805.07 125.33,805.07 134.05,805.07 142.76,805.07 151.48,805.07 160.2,805.07 168.92,805.07 177.63,805.07 183.69,811.13 ; 329.41,1076.63 334.42,1081.64 334.42,1084.24 334.42,1091.85 334.42,1099.46 334.42,1107.07 334.42,1114.67 ; 373.56,1153.81 379.15,1159.4 388.14,1159.4 397.12,1159.4 406.11,1159.4 415.1,1159.4 424.08,1159.4 433.07,1159.4
  L1_TOP w8.05: 29.42,811.64 29.42,1116.02 83.54,1170.13 83.54,1238.88 97.5,1252.84 98.09,1255.26 99.09,1259.41 U2.T11@101.6,1265.06 ; 29.43,811.62 35.98,805.07 38.16,805.07 46.87,805.07 55.59,805.07 64.31,805.07 73.03,805.07 81.74,805.07 90.46,805.07 99.18,805.07 107.89,805.07 116.61,805.07 ; 183.69,811.13 189.74,817.18 195.79,823.23 ; 213.95,841.39 220,847.44 226.05,853.5 ; 250.27,877.71 250.27,958.01 262.8,970.54 ; 278.24,1033.95 278.24,1034.89 ; 285.74,970.54 293.38,970.54 ; 291.28,1072.67 291.28,1073.06 ; 304.34,981.5 304.86,982.02 304.86,1007.34 ; 367.97,1148.22 373.56,1153.81 ; 576.87,1159.4 585.85,1159.4 594.84,1159.4 603.83,1159.4 612.82,1159.4 621.8,1159.4 630.79,1159.4 639.78,1159.4 665.41,1133.78 U1.R1@668.98,1130.22
  L8_BOT w15: v4(86.18,1249.64) 86.89,1248.93 R4.2@86.89,1222.41
DRAM_VREF: U1.P1